# Altium PCB PCB_wordclocksmall_2022-11-05.pcbdoc (part 5 of 5)
Units mm, origin at the board's own origin, x right, y up, seen from the top; angles counter-clockwise.
Board outline 235.71 x 238.24 mm, 2 copper layers (Top Layer, Bottom Layer); 312 components, 226 nets, 1026 pads, 204 vias.
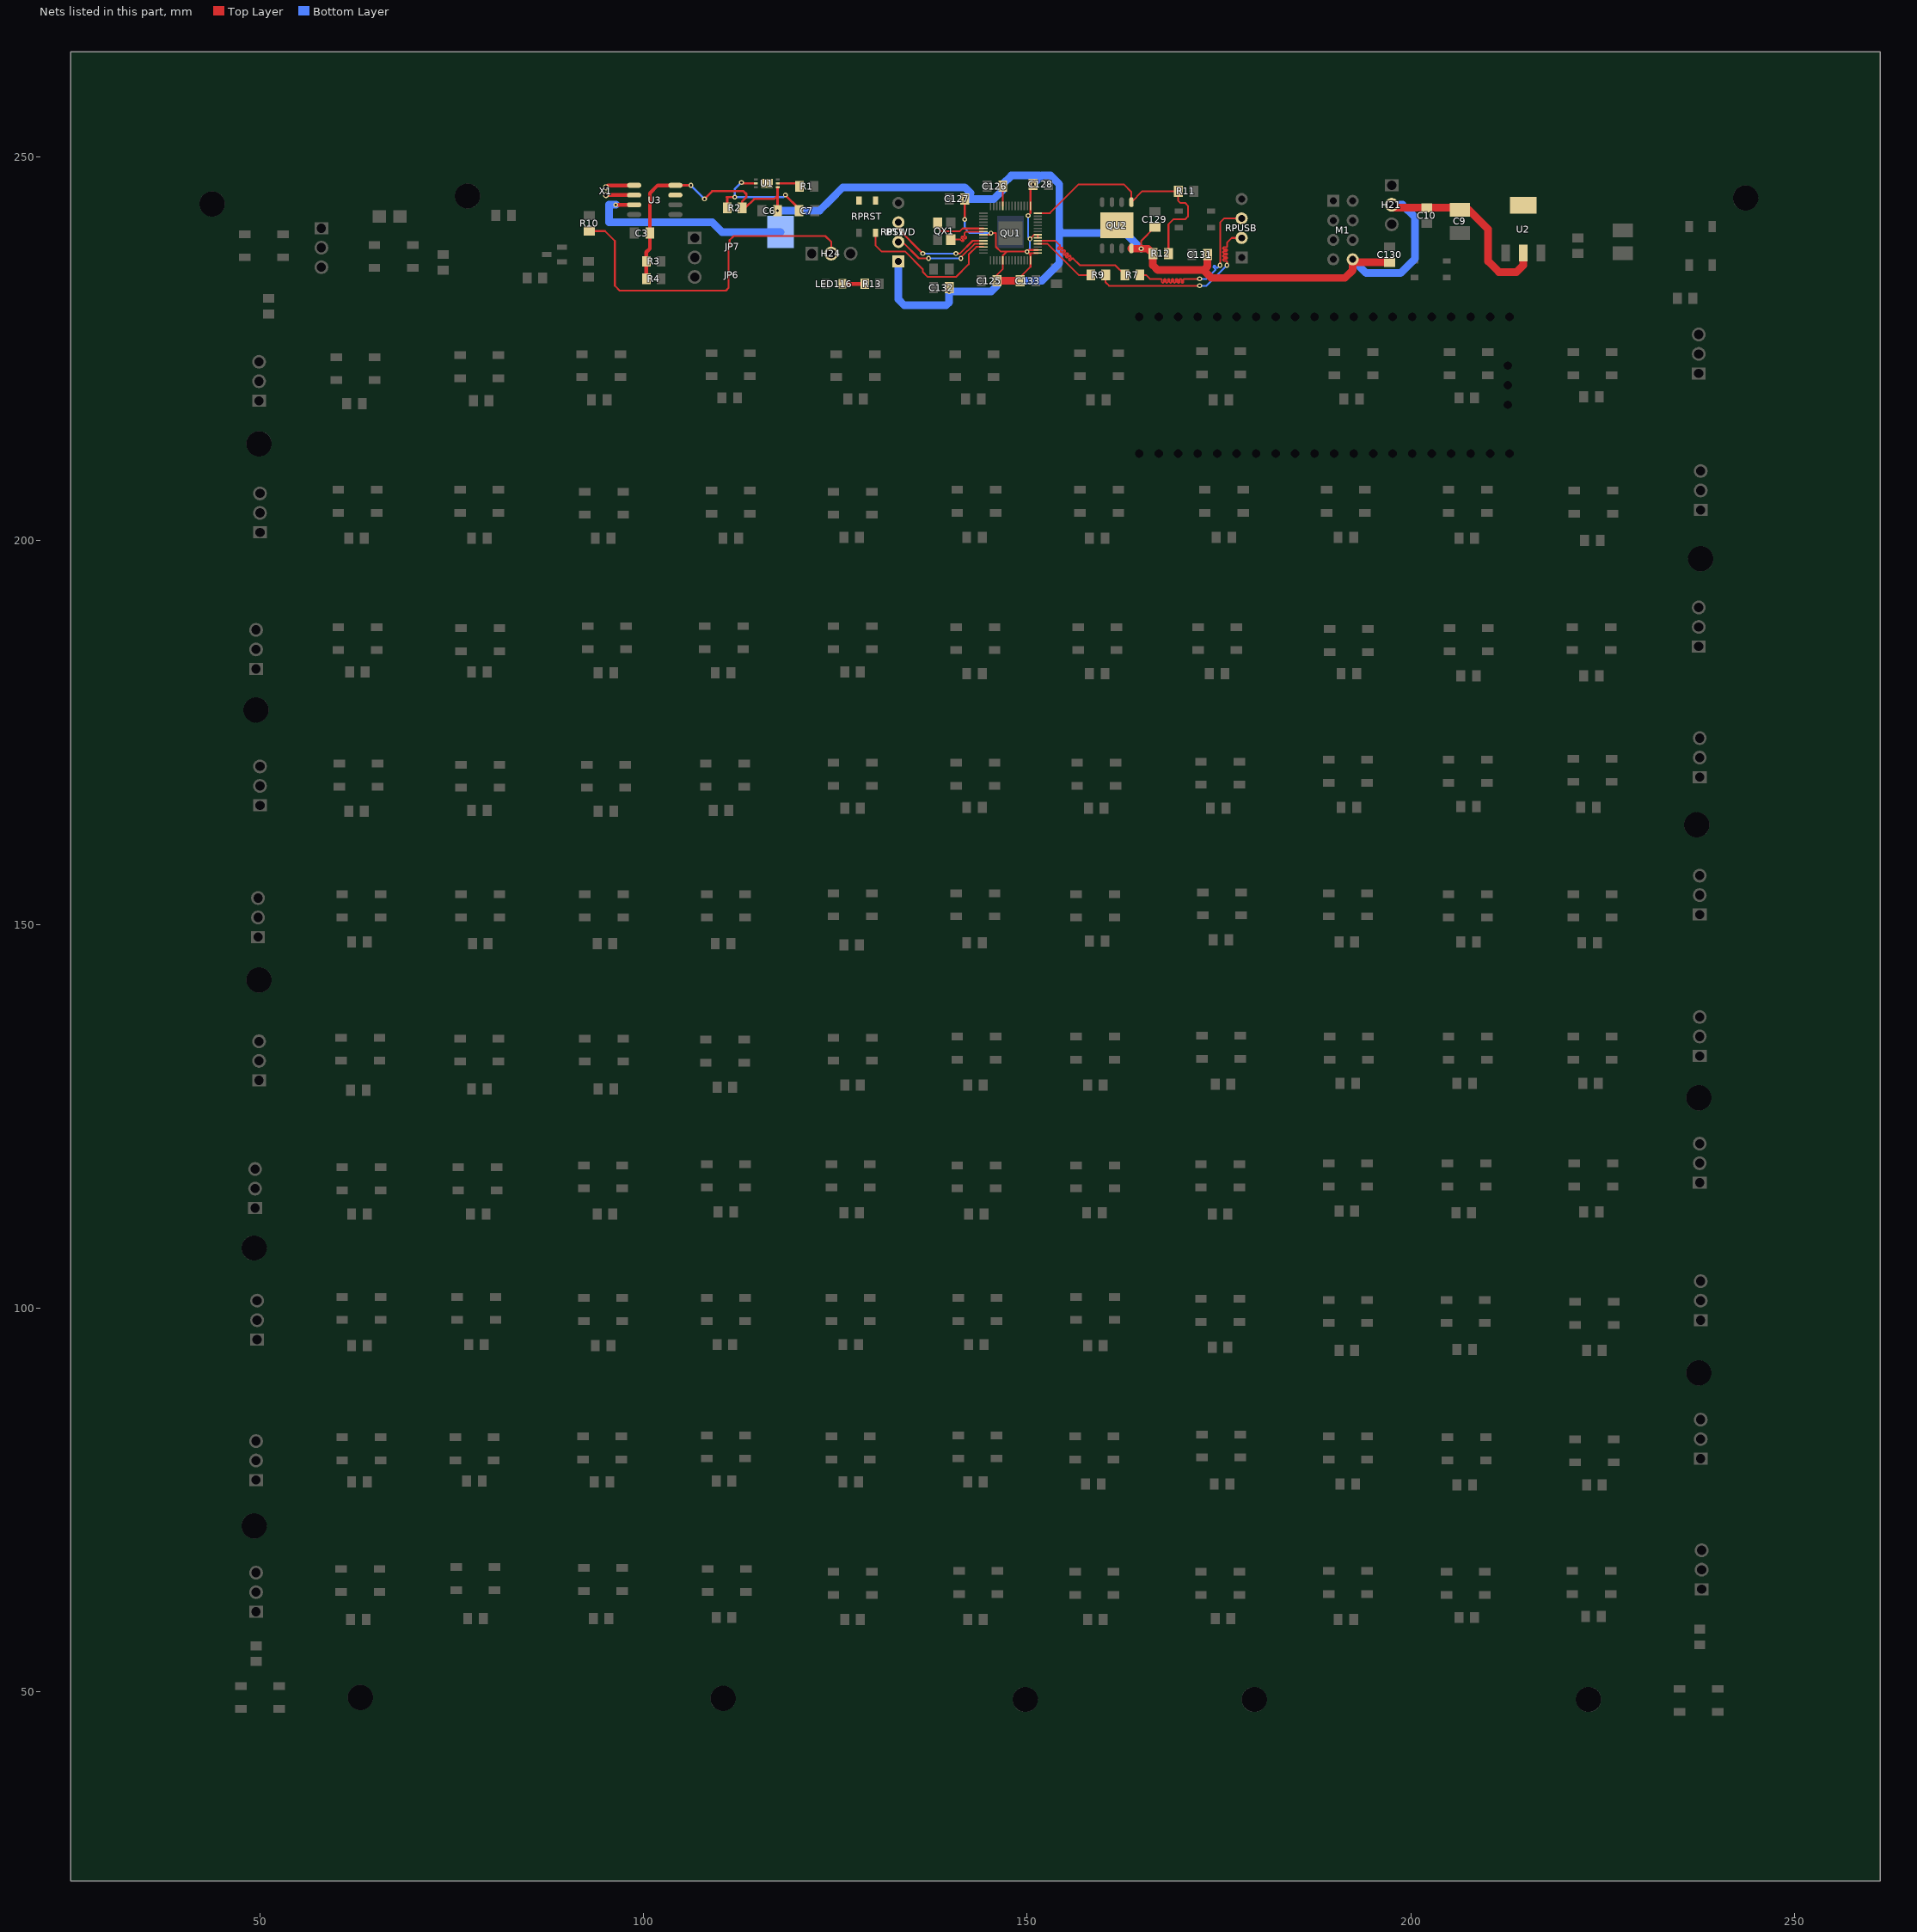
[diagram p5: the nets of this part, all layers, seen from the top]

## Via types
v1: diameter 0.635, hole 0.305, Top Layer to Bottom Layer, tented both sides, 201 vias
v2: diameter 1, hole 0.5, Top Layer to Bottom Layer, tented both sides, 3 vias

## Nets (pads, with @x,y where several pads share a name; then routed paths per layer and width w, separated by ;. In a path a pad name is that pad's centre, name@x,y a point inside that pad or via, vN(x,y) a via of type N, cw(c..) or ccw(c..) an arc to the next point about the centre after c; other vN are vias at no path point) (continued)
QSPI_SS: QU1.56 QU2.1 R11.1 R12.2 | length 33.1
  Top Layer w0.229: QU1.56@151.378,242.645 152.969,242.646 156.718,246.395 162.56,246.395 163.576,245.379 QU2.1@163.576,244.074 165.008,245.506 R11.1@169.672,245.506 169.672,244.236 169.926,243.982 170.561,243.982 170.942,243.601 170.942,242.204 170.561,241.823 169.037,241.823 168.402,241.188 R12.2@168.402,237.378
QU1_46: QU1.46 R9.1 | length 8.6
  Top Layer w0.229: QU1.46@151.378,238.645 152.657,238.645 156.718,234.584 R9.1@158.292,234.584
QU1_47: QU1.47 R7.1 | length 17.3
  Top Layer w0.229: QU1.47@151.378,239.045 153.665,239.034 154.239,238.46 154.239,238.341 154,238.1 154,237.98 154.061,237.922 154.181,237.922 154.419,238.161 154.539,238.161 154.6,238.1 154.6,237.98 154.358,237.741 154.358,237.622 154.419,237.561 154.539,237.561 154.777,237.802 154.897,237.802 154.958,237.741 154.958,237.622 154.719,237.381 154.719,237.261 154.777,237.203 154.897,237.203 155.138,237.442 155.257,237.442 155.316,237.381 155.316,237.261 155.077,237.023 155.077,236.903 155.138,236.842 155.257,236.842 155.496,237.084 155.616,237.084 155.677,237.023 155.677,236.903 155.438,236.665 155.438,236.545 155.496,236.484 155.616,236.484 155.857,236.723 155.976,236.723 156.845,235.854 161.468,235.854 R7.1@162.737,234.584
QU2_9: QU2.9
R10_1: H24.2 JP6.2 JP7.2 R10.1 | length 50.2
  Top Layer w0.229: JP6.2@111.1,234.584 111.1,238.14 JP7.2@111.227,238.267
  Top Layer w0.254: R10.1@92.964,240.299 94.996,240.299 96.266,239.029 96.266,233.187 96.901,232.552 110.744,232.552 111.1,232.908 JP6.2@111.1,234.584 111.1,238.14 JP7.2@111.227,238.267 111.227,239.131 111.76,239.664 123.698,239.664 124.46,238.902 H24.2@124.46,237.378
R13_2: LED116.2 R13.2 | length 2.9
  Top Layer w0.508: LED116.2@125.941,233.441 R13.2@128.828,233.441
RPRST_1: RPRST.1
RPRST_3: RPRST.3
RUN: QU1.26 RPRST.2 | length 20
  Top Layer w0.229: RPRST.2@130.234,240.104 130.233,238.463 131.064,237.632 134.112,237.632 136.398,235.346 136.398,234.965 137.033,234.33 140.716,234.33 142.367,235.981 142.367,237.251 143.36,238.244 QU1.26@144.278,238.245
S$28: 
S$38: 
S$40: 
SWCLK: QU1.24 RPSWD.3 | length 13.9
  Top Layer w0.229: v1(140.716,237.378) 141.224,237.378 142.89,239.044 QU1.24@144.278,239.045
  Top Layer w0.254: RPSWD.3@133.223,241.442 133.223,240.553 v1(136.398,237.378)
  Bottom Layer w0.229: v1(136.398,237.378) v1(140.716,237.378)
SWD: QU1.25 RPSWD.2 | length 12.8
  Top Layer w0.229: v1(141.351,236.743) 141.351,236.87 143.126,238.646 QU1.25@144.278,238.645
  Top Layer w0.254: RPSWD.2@133.223,238.902 133.731,238.902 135.89,236.743 v1(137.16,236.743)
  Bottom Layer w0.229: v1(137.16,236.743) v1(141.351,236.743)
U1_2: R1.1 U1.2 | length 3
  Top Layer w0.3: U1.2@117.506,246.522 119.938,246.522 R1.1@120.319,246.141
U1_5: C7.1 R2.1 U1.5 | length 16.1
  Top Layer w0.3: R2.1@110.921,243.347 110.921,244.694 110.871,244.744 v1(111.887,244.744) ; v1(112.776,246.649) 112.903,246.522 U1.5@114.65,246.522 ; v1(118.491,244.998) 120.269,243.22 C7.1@120.269,242.966
  Bottom Layer w0.3: v1(112.776,246.649) 111.887,245.76 v1(111.887,244.744) 118.237,244.744 v1(118.491,244.998)
U1_7: U1.7
U2_4: U2.4
U3_3: BT1.1 U3.3 | length 28.4
  Top Layer w0.5: v1(96.393,243.728) U3.3@98.791,243.728
  Bottom Layer w1: v1(96.393,243.728) 95.504,243.728 95.504,241.442 108.966,241.442 110.236,240.172 BT1.1@117.854,240.172
U3_7: U3.7
USB_D+: R7.2 RPUSB.3 | length 25.7
  Top Layer w0.229: R7.2@164.669,234.584 165.481,234.584 165.989,234.076 167.46,234.076 167.546,233.992 167.546,233.652 167.63,233.568 167.714,233.568 167.8,233.652 167.8,233.992 167.884,234.076 167.968,234.076 168.054,233.992 168.054,233.652 168.138,233.568 168.222,233.568 168.308,233.652 168.308,233.992 168.392,234.076 168.476,234.076 168.562,233.992 168.562,233.652 168.646,233.568 168.73,233.568 168.816,233.652 168.816,233.992 168.9,234.076 168.984,234.076 169.07,233.992 169.07,233.652 169.154,233.568 169.238,233.568 169.324,233.652 169.324,233.992 169.408,234.076 169.492,234.076 169.578,233.992 169.578,233.652 169.662,233.568 169.746,233.568 169.832,233.652 169.832,233.992 169.916,234.076 170,234.076 170.086,233.992 170.086,233.652 170.17,233.568 170.254,233.568 170.34,233.652 170.34,233.992 170.424,234.076 v1(172.466,234.076) ; v1(175.133,235.854) 175.133,241.442 175.641,241.95 RPUSB.3@177.927,241.95
  Bottom Layer w0.229: v1(172.466,234.076) 173.355,234.076 174.513,235.234 174.513,235.354 174.274,235.593 174.274,235.712 174.333,235.773 174.452,235.773 174.694,235.534 174.813,235.534 v1(175.133,235.854)
USB_D-: R9.2 RPUSB.2 | length 26.4
  Top Layer w0.229: R9.2@160.224,234.584 160.224,233.618 160.655,233.187 v1(172.466,233.187) ; v1(176.022,235.854) 176.022,236.337 175.938,236.423 175.598,236.423 175.514,236.507 175.514,236.591 175.598,236.677 175.938,236.677 176.022,236.761 176.022,236.845 175.938,236.931 175.598,236.931 175.514,237.015 175.514,237.099 175.598,237.185 175.938,237.185 176.022,237.269 176.022,237.353 175.938,237.439 175.598,237.439 175.514,237.523 175.514,237.607 175.598,237.693 175.938,237.693 176.022,237.777 176.022,237.861 175.938,237.947 175.598,237.947 175.514,238.031 175.514,238.115 175.598,238.201 175.938,238.201 176.022,238.285 176.022,238.775 176.657,239.41 RPUSB.2@177.927,239.41
  Bottom Layer w0.229: v1(172.466,233.187) 173.355,233.187 v1(176.022,235.854)
VCC: C3.1 C6.2 C9.1 C10.2 C125.2 C126.2 C127.2 C128.2 C129.2 C130.1 C131.2 C132.2 C133.2 H21.2 M1.8 QU1.1 QU1.10 QU1.22 QU1.33 QU1.42 QU1.43 QU1.44 QU1.48 QU1.49 QU2.8 R2.2 R3.1 R4.1 R12.1 RPSWD.1 U1.1 U2.2 U3.8 | length 264.7
  Top Layer w0.229: v1(141.859,241.823) v1(141.859,244.49) ; QU1.22@144.278,239.845 145.088,239.845 v1(145.288,240.045) 145.923,240.045 145.923,238.267 146.558,237.632 147.32,237.632 ; v1(146.05,233.822) 146.05,234.584 146.828,235.362 QU1.33@146.828,236.495 146.828,237.14 147.32,237.632 ; C126.2@146.812,246.141 146.812,243.612 QU1.10@146.828,243.595 ; C133.2@149.098,233.822 149.098,234.33 150.428,235.66 QU1.42@150.428,236.495 150.428,237.191 v1(149.987,237.632) ; v1(150.114,242.331) 150.428,242.645 QU1.1@150.428,243.595 150.428,246.074 v1(150.749,246.395) ; v1(150.368,239.283) 150.93,239.845 QU1.49@151.378,239.845 QU1.48@151.378,239.445 ; 150.428,237.184 149.987,237.625 v1(149.987,237.632) ; QU1.43@151.378,237.445 150.174,237.445 v1(149.987,237.632) ; QU1.44@151.378,237.845 150.2,237.845 v1(149.987,237.632) ; R12.1@166.37,237.378 165.735,238.013 v1(164.846,238.013) 164.846,239.029 C129.2@166.624,240.807 ; 147.32,237.632 v1(149.987,237.632)
  Top Layer w0.3: U3.8@104.155,246.268 v1(106.172,246.268) ; v1(107.95,244.49) 108.966,245.506 113.03,245.506 113.411,245.125 113.411,244.744 112.853,244.186 R2.2@112.853,243.347 113.284,243.347 114.427,244.49 117.027,244.49 117.475,244.939 ; v1(117.475,242.966) 117.475,245.992 U1.1@117.506,246.022
  Top Layer w0.5: R4.1@100.379,234.076 100.379,236.362 100.38,237.555 100.838,238.013 C3.1@100.838,240.045 100.838,245.252 101.854,246.268 U3.8@104.155,246.268
  Top Layer w0.508: v1(139.827,232.425) C132.2@139.827,232.933
  Top Layer w1: v1(146.05,233.822) C133.2@149.098,233.822 ; QU2.8@163.576,238.048 163.611,238.013 v1(164.846,238.013) 165.735,238.013 R12.1@166.37,237.378 166.37,235.854 167.005,235.219 172.974,235.219 ; v1(173.482,237.251) 173.482,235.727 172.974,235.219 ; C130.1@197.231,236.235 192.786,236.235 M1.8@192.405,236.616 192.405,235.219 191.389,234.203 173.99,234.203 172.974,235.219 ; H21.2@197.485,243.728 197.866,243.347 C10.2@202.057,243.347 206.375,243.347 C9.1@206.375,243.07 207.526,243.073 210.058,240.558 210.058,236.362 211.455,234.965 213.741,234.965 214.643,235.867 U2.2@214.643,237.454
  Bottom Layer w0.229: v1(141.859,241.823) 141.859,240.68 142.494,240.045 v1(145.288,240.045) ; v1(149.987,237.632) 150.368,238.013 v1(150.368,239.283) 150.114,239.537 v1(150.114,242.331)
  Bottom Layer w0.3: v1(106.172,246.268) v1(107.95,244.49)
  Bottom Layer w1: v1(117.475,242.966) 122.936,242.966 124.333,244.363 125.984,246.014 141.859,246.014 142.621,245.252 ; RPSWD.1@133.223,236.362 133.223,231.409 133.985,230.647 139.446,230.647 139.827,231.028 v1(139.827,232.425) 145.288,232.425 146.05,233.187 v1(146.05,233.822) 151.892,233.822 154.178,236.108 154.178,246.395 153.035,247.538 151.892,247.538 v1(150.749,246.395) ; v1(141.859,244.49) 145.669,244.49 146.812,245.633 v1(146.812,246.395) 147.955,247.538 151.511,247.538 ; 154.178,240.46 154.593,240.045 162.814,240.045 v1(164.846,238.013) ; M1.8@192.405,236.616 194.183,234.838 198.628,234.838 200.533,236.743 200.533,242.077 198.882,243.728 H21.2@197.485,243.728
X1_1: U3.1 X1.1 | length 3.8
  Top Layer w0.5: X1.1@95.123,246.006 95.385,246.268 U3.1@98.791,246.268
X1_2: U3.2 X1.2 | length 3.7
  Top Layer w0.5: X1.2@95.123,245.006 U3.2@98.791,244.998
XIN: QU1.20 QX1.1 | length 6.9
  Top Layer w0.229: QX1.1@138.342,241.399 138.341,240.769 138.811,240.299 141.224,240.299 141.605,240.645 QU1.20@144.278,240.645
XOUT: QU1.21 QX1.3 | length 6.4
  Top Layer w0.229: QX1.3@140.042,239.199 141.285,239.199 141.524,238.984 141.643,238.984 141.704,239.044 141.704,239.164 141.463,239.403 141.463,239.522 141.524,239.583 141.643,239.583 141.882,239.344 142.001,239.344 142.062,239.403 142.062,239.522 141.823,239.763 141.823,240.01 142.06,240.246 QU1.21@144.278,240.245

## Polygon pours and split planes (outlines as drawn)
GND on Bottom Layer (solid): 38.354,248.173 38.354,39.004 38.481,38.877 247.396,38.877 248.031,38.242 248.031,180.482 248.412,180.863 248.412,216.042 248.031,216.423 248.031,247.792

## Other copper
Top Layer:
  rectangle: 72.009,40.655 101.346,48.275
  rectangle: 116.586,40.274 145.923,47.894

## Silkscreen, mask and mechanical layers (free items; w line width, h text height)
Top Overlay:
  circle w0.508: c189.738,246.141 r0.458
  text "PWR_IN" at 198.691,246.649 h1.14 r270
  text "GND - - RX" at 187.079,244.998 h1 r270
  text "TX  - RST 3V3" at 193.098,244.998 h0.9 r270
  text "GND SWCLK SWD 3V3" at 130.764,244.871 h0.6 r270
  text "GND SDA SCL" at 107.931,240.553 h0.8 r270
  text "GND 3V3 5V" at 196.234,240.045 h0.8 r90
  text "5V WS GND" at 120.65,238.452 h0.9
  text "GP07" at 113.538,237.436 h0.9
  text "5V D- D+ GND" at 180.917,236.108 h0.9 r90
  text "GND WSHIGH" at 56.788,234.33 h0.8 r90
  text "GP22" at 113.03,233.753 h0.9
  text "GP25" at 118.11,233.626 h0.9
  text "ESP-01" at 187.833,233.378 h1.14
  text "LED_BUILDIN" at 114.3,232.483 h0.9
  text "5V DOUT GND" at 236.212,219.217 h1 r90
  text "5V DIN GND" at 53.205,216.423 h1 r90
  text "5V DIN GND" at 236.339,202.326 h1 r90
  text "5V DOUT GND" at 53.459,198.643 h1 r90
  text "5V DOUT GND" at 236.339,184.292 h1 r90
  text "5V DIN GND" at 53.205,181.752 h1 r90
  text "5V DIN GND" at 236.339,167.274 h1 r90
  text "5V DOUT GND" at 53.459,163.337 h1 r90
  text "5V DOUT GND" at 236.212,149.24 h1 r90
  text "5V DIN GND" at 52.951,146.954 h1 r90
  text "5V DIN GND" at 236.212,131.206 h1 r90
  text "5V DOUT GND" at 53.205,127.396 h1 r90
  text "5V DOUT GND" at 235.831,113.68 h1 r90
  text "5V DIN GND" at 52.824,111.394 h1 r90
  text "5V DIN GND" at 236.339,96.662 h1 r90
  text "5V DOUT GND" at 53.078,93.741 h1 r90
  text "5V DOUT GND" at 236.339,77.993 h1 r90
  text "5V DIN GND" at 52.824,75.834 h1 r90
  text "5V DIN GND" at 236.593,62.118 h1 r90
  text "5V DOUT GND" at 52.951,57.927 h1 r90
  text "HW VERSION" at 73.66,47.537 h3
  text "SW VERSION" at 118.11,46.902 h3
  text "PCB V1" at 73.025,44.481 h2
  text "Makerspace FH Aachen" at 203.708,41.048 h1.5
  text "JLCJLCJLCJLC" at 44.704,40.54 h1.5
  text "01.01.2022" at 85.598,40.29 h2
  text "CLOCK WITH WORDS" at 148.971,39.536 h3
  text "Marcel Ochsendorf info@marcelochsendorf.com" at 203.581,39.268 h1.25
Top Solder:
  rectangle: 71.895,40.604 101.333,48.326
  rectangle: 116.535,40.223 145.974,47.945

## Text inside footprints (layer, text, board x,y; h text height)
1: Bottom Overlay "Raspberry Pi Pico" at 179.832,221.503 h1.27 r180